# Altium PCB MainBoard_Layout_V2.1.PcbDoc (part 1 of 3) (continued)
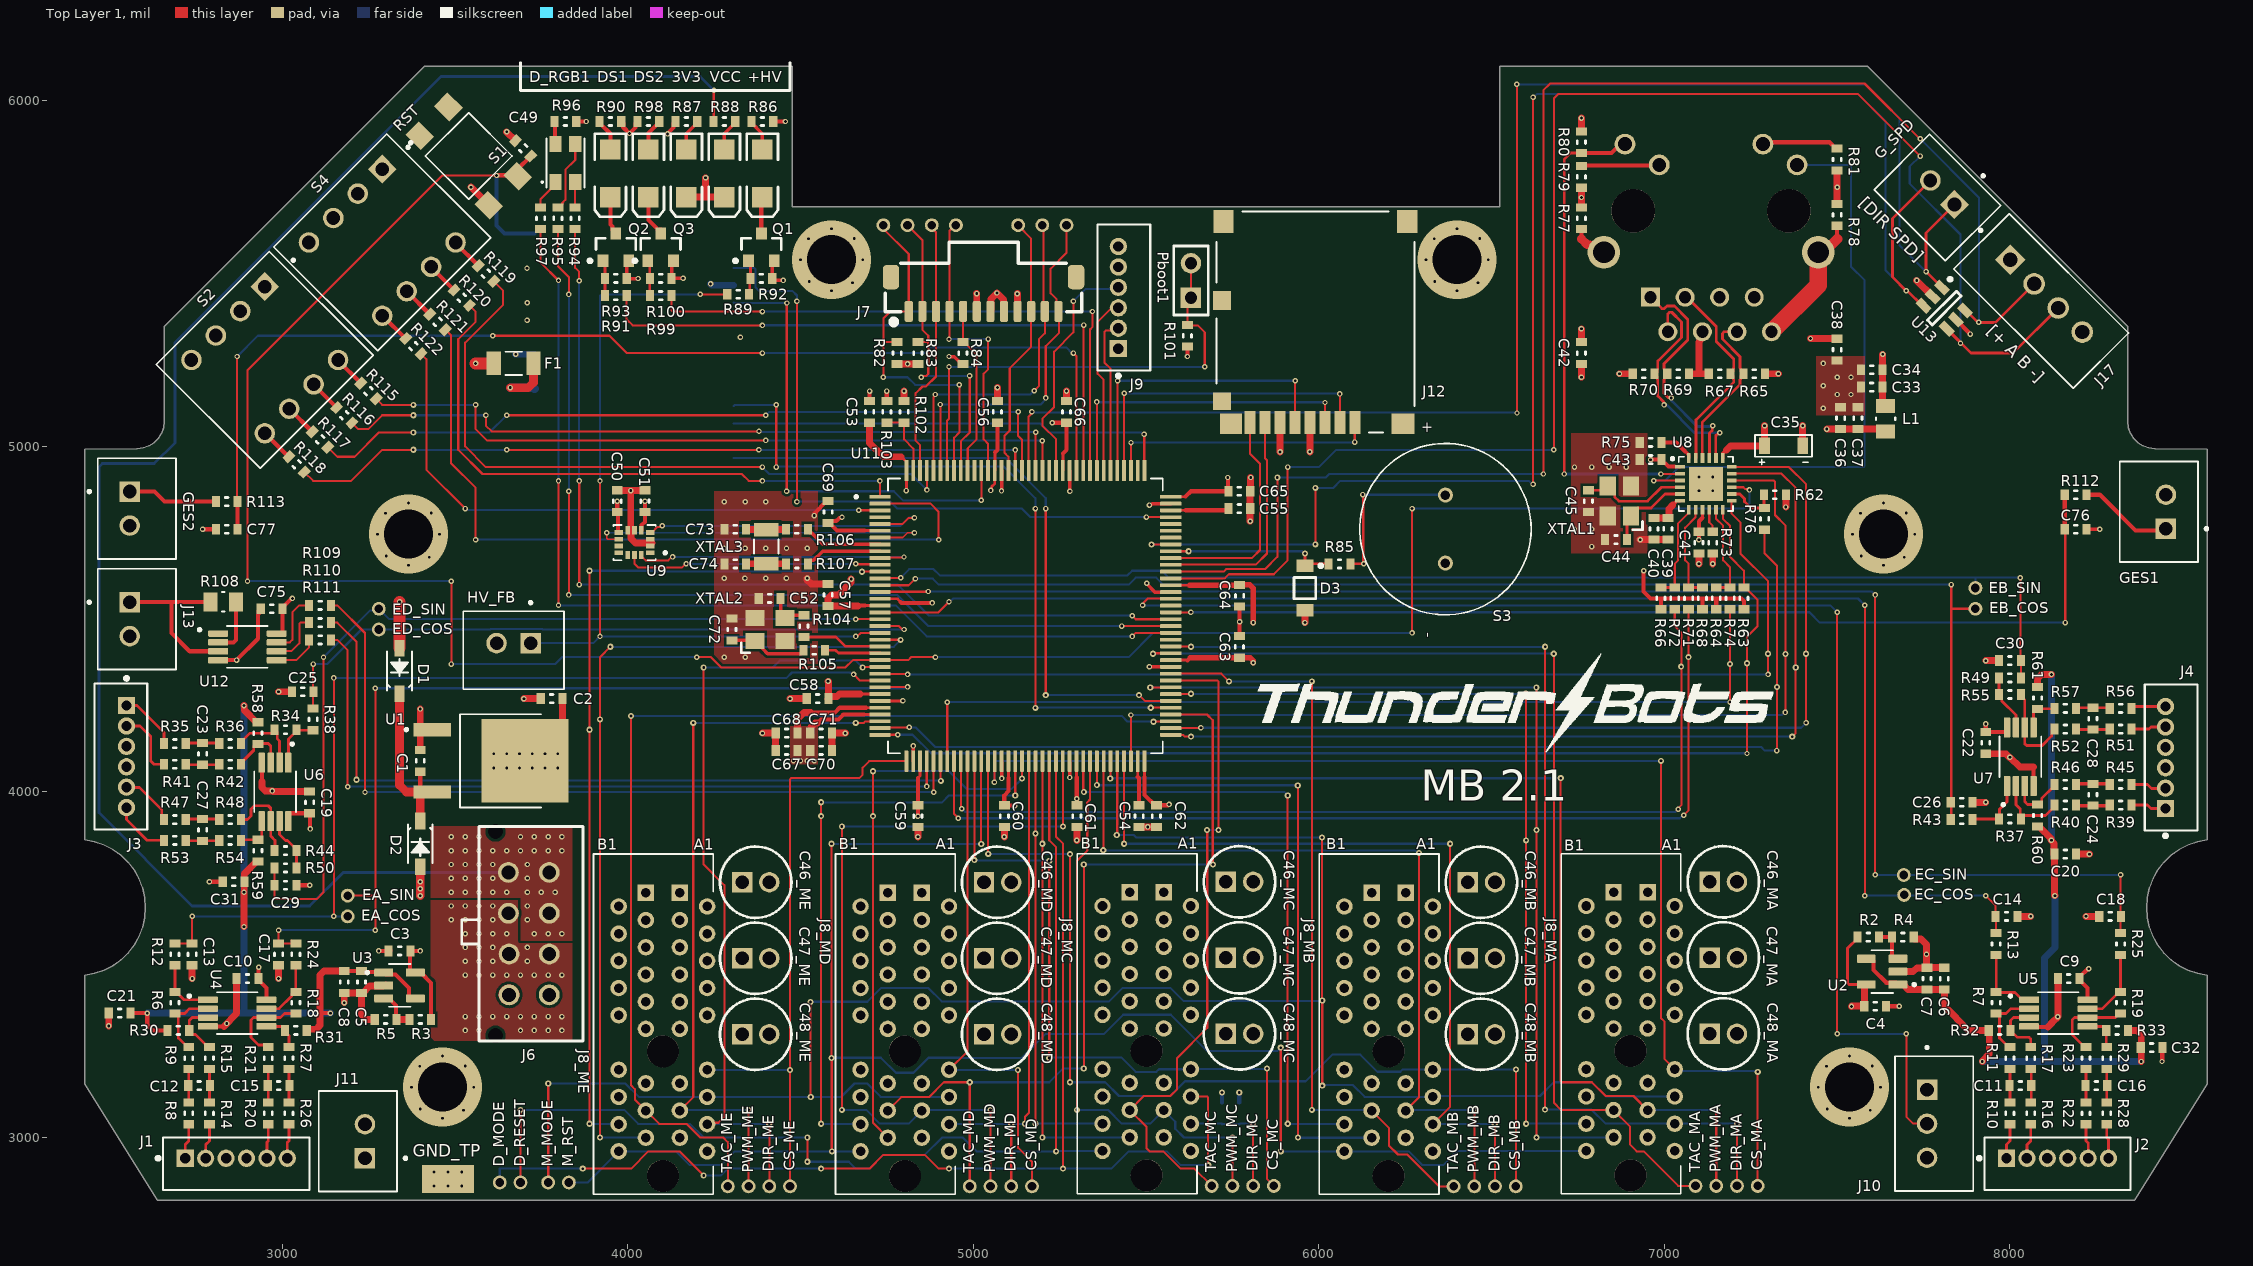
[diagram p0: Top Layer 1 view]
## Components (designator, comment, footprint, x,y, rotation, side; value= is the part's Value field where it differs from the comment)
3V3 "LED2" 3.2X1.6X1.1 4170,5790 r270 top
+HV "LED2" 3.2X1.6X1.1 4390,5790 r270 top
C1 "10uF 10V" 0603 3400,4090 r90 top value=10uF
C2 "10uF 10V" 0603 3780,4270 r180 top value=10uF
C3 "0.010uF" 0603 3340,3540 r180 top
C4 "0.010uF" 0603 7610,3380 r0 top
C5 "1uF 50V" 0603 3230,3450 r270 top value=1uF
C6 "1uF 50V" 0603 7810,3460 r90 top value=1uF
C7 "0.010uF" 0603 7760,3460 r90 top
C8 "0.010uF" 0603 3180,3450 r270 top
C9 "0.010uF" 0603 8170,3460 r180 top
C10 "0.010uF" 0603 2900,3460 r180 top
C11 "100nF 50V" 0603 8030,3150 r0 top value=100nF
C12 "100nF 50V" 0603 2760,3150 r0 top value=100nF
C13 "0.010uF" 0603 2740,3530 r270 top
C14 "0.010uF" 0603 7990,3640 r0 top
C15 "100nF 50V" 0603 2990,3150 r0 top value=100nF
C16 "100nF 50V" 0603 8250,3150 r0 top value=100nF
C17 "0.010uF" 0603 2990,3530 r270 top
C18 "0.010uF" 0603 8290,3640 r180 top
C19 "0.010uF" 0603 3080,3970 r90 top
C20 "1uF 50V" 0603 8160,3820 r0 top value=1uF
C21 "1uF 50V" 0603 2530,3360 r0 top value=1uF
C22 "0.010uF" 0603 7930,4141.89 r270 top
C23 "100nF 50V" 0603 2770,4110 r270 top value=100nF
C24 "100nF 50V" 0603 8240,3991.89 r90 top value=100nF
C25 "0.010uF" 0603 3060,4290 r180 top
C26 "0.010uF" 0603 7860,3970 r0 top
C27 "100nF 50V" 0603 2770,3890 r270 top value=100nF
C28 "100nF 50V" 0603 8240,4211.89 r90 top value=100nF
C29 "0.010uF" 0603 3010,3730 r0 top
C30 "0.010uF" 0603 8000,4380 r180 top
C31 "1uF 50V" 0603 2860,3740 r180 top value=1uF
C32 "1uF 50V" 0603 8410,3260 r0 top value=1uF
C33 "1uF 50V" 0603 7600,5171.5 r0 top value=1uF
C34 "100nF 50V" 0603 7600,5221.5 r0 top value=100nF
C35 "10uF 10V" "1206 Polarized" 7282.13,4970 r0 top value=10uF
C36 "100nF 50V" 0603 7510,5081.5 r270 top value=100nF
C37 "100nF 50V" 0603 7560,5081.5 r270 top value=100nF
C38 "100nF 50V" 0603 7500,5280 r270 top value=100nF
C39 "470pF" 0603 7010,4761.5 r90 top
C40 "1uF 50V" 0603 6970,4761.5 r90 top value=1uF
C41 "100nF 50V" 0603 7100,4721.5 r90 top value=100nF
C42 "100nF 50V" 0603 6760,5270 r90 top value=100nF
C43 "100nF 50V" 0603 6960,4961.5 r0 top value=100nF
C44 "30pF 25V" 0603 6860,4730 r0 top value=30pF
C45 "30pF 25V" 0603 6780,4841.5 r90 top value=30pF
C46_MA "CAP POL 0.1uF 100V" CAPPRD200W50D525H1250 7131.26,3740 r0 top value=0.10uF (schematic designator C46)
C46_MB "CAP POL 0.1uF 100V" CAPPRD200W50D525H1250 6431.26,3738.74 r0 top value=0.10uF (schematic designator C46)
C46_MC "CAP POL 0.1uF 100V" CAPPRD200W50D525H1250 5731.26,3740 r0 top value=0.10uF (schematic designator C46)
C46_MD "CAP POL 0.1uF 100V" CAPPRD200W50D525H1250 5031.26,3738.74 r0 top value=0.10uF (schematic designator C46)
C46_ME "CAP POL 0.1uF 100V" CAPPRD200W50D525H1250 4331.26,3738.74 r0 top value=0.10uF (schematic designator C46)
C47_MA "CAP POL 0.1uF 100V" CAPPRD200W50D525H1250 7131.26,3520 r0 top value=0.10uF (schematic designator C47)
C47_MB "CAP POL 0.1uF 100V" CAPPRD200W50D525H1250 6431.26,3518.74 r0 top value=0.10uF (schematic designator C47)
C47_MC "CAP POL 0.1uF 100V" CAPPRD200W50D525H1250 5731.26,3520 r0 top value=0.10uF (schematic designator C47)
C47_MD "CAP POL 0.1uF 100V" CAPPRD200W50D525H1250 5031.26,3518.74 r0 top value=0.10uF (schematic designator C47)
C47_ME "CAP POL 0.1uF 100V" CAPPRD200W50D525H1250 4331.26,3518.74 r0 top value=0.10uF (schematic designator C47)
C48_MA "CAP POL 0.1uF 100V" CAPPRD200W50D525H1250 7131.26,3300 r0 top value=0.10uF (schematic designator C48)
C48_MB "CAP POL 0.1uF 100V" CAPPRD200W50D525H1250 6431.26,3298.74 r0 top value=0.10uF (schematic designator C48)
C48_MC "CAP POL 0.1uF 100V" CAPPRD200W50D525H1250 5731.26,3300 r0 top value=0.10uF (schematic designator C48)
C48_MD "CAP POL 0.1uF 100V" CAPPRD200W50D525H1250 5031.26,3298.74 r0 top value=0.10uF (schematic designator C48)
C48_ME "CAP POL 0.1uF 100V" CAPPRD200W50D525H1250 4331.26,3298.74 r0 top value=0.10uF (schematic designator C48)
C49 "100nF 50V" 0603 3697.73,5862.27 r315 top value=100nF
C50 "100nF 50V" 0603 3970,4841.5 r270 top value=100nF
C51 "100nF 50V" 0603 4050,4841.5 r270 top value=100nF
C52 "5.6pF 50V" 0603 4410.94,4560 r180 top value=5.6pF
C53 "4.7uF" 0603 4700,5100 r270 top
C54 "10uF 10V" 0603 5480,3930 r270 top value=10uF
C55 "10uF 10V" 0603 5770,4820 r0 top value=10uF
C56 "100nF 50V" 0603 5070,5100 r270 top value=100nF
C57 "100nF 50V" 0603 4580,4570 r270 top value=100nF
C58 "100nF 50V" 0603 4550,4270 r0 top value=100nF
C59 "100nF 50V" 0603 4840,3930 r90 top value=100nF
C60 "100nF 50V" 0603 5090,3930 r90 top value=100nF
C61 "100nF 50V" 0603 5300,3930 r90 top value=100nF
C62 "100nF 50V" 0603 5530,3930 r90 top value=100nF
C63 "100nF 50V" 0603 5770,4420 r270 top value=100nF
C64 "100nF 50V" 0603 5771,4567.61 r90 top value=100nF
C65 "100nF 50V" 0603 5770,4870 r180 top value=100nF
C66 "100nF 50V" 0603 5270,5100 r270 top value=100nF
C67 "1uF 50V" 0603 4460,4120 r0 top value=1uF
C68 "100nF 50V" 0603 4460,4170 r0 top value=100nF
C69 "100nF 50V" 0603 4580,4810 r270 top value=100nF
C70 "1uF 50V" 0603 4560,4120 r180 top value=1uF
C71 "100nF 50V" 0603 4560,4170 r180 top value=100nF
C72 "5.6pF 50V" 0603 4301.5,4470 r90 top value=5.6pF
C73 "5.6pF 50V" 0603 4311.5,4760 r180 top value=5.6pF
C74 "5.6pF 50V" 0603 4311.5,4660 r180 top value=5.6pF
C75 "0.10uF" 0603 2970,4530 r180 top
C76 "0.10uF" 0603 8190,4760 r0 top
C77 "0.10uF" 0603 2840,4760 r180 top
CHIP "Test Point (Via)" TP 5200,5640 r90 bottom
CS_MA "Test Point (Via)" TP 7270,2860 r90 top (schematic designator CS)
CS_MB "Test Point (Via)" TP 6570,2858.74 r90 top (schematic designator CS)
CS_MC "Test Point (Via)" TP 5870,2860 r90 top (schematic designator CS)
CS_MD "Test Point (Via)" TP 5170,2858.74 r90 top (schematic designator CS)
CS_ME "Test Point (Via)" TP 4470,2858.74 r90 top (schematic designator CS)
D1 "SM5817PL-TP" SOD-123 3340,4350 r90 top
D2 "SM5817PL-TP" SOD-123 3400,3850 r270 top
D3 "3V3 ZENER" ONSC-SOD-123-2-425-04_V 5960,4590 r270 top
D_MODE "Test Point (Via)" TP 3630,2870 r90 top
D_RESET "Test Point (Via)" TP 3690,2870 r90 top
D_RGB1 "LED RGB CLEAR 4SMD 3528" "LED 4pin 3.5 x 2.8" 3820,5820 r270 top
DIR_MA "Test Point (Via)" TP 7210,2860 r90 top (schematic designator DIR)
DIR_MB "Test Point (Via)" TP 6510,2858.74 r90 top (schematic designator DIR)
DIR_MC "Test Point (Via)" TP 5810,2860 r90 top (schematic designator DIR)
DIR_MD "Test Point (Via)" TP 5110,2858.74 r90 top (schematic designator DIR)
DIR_ME "Test Point (Via)" TP 4410,2858.74 r90 top (schematic designator DIR)
DS1 "LED2" 3.2X1.6X1.1 3950,5790 r270 top
DS2 "LED2" 3.2X1.6X1.1 4060,5790 r270 top
EA_COS "Test Point (Via)" TP 3190,3640 r90 top
EA_SIN "Test Point (Via)" TP 3190,3700 r90 top
EB_COS "Test Point (Via)" TP 7900,4530 r90 top
EB_SIN "Test Point (Via)" TP 7900,4590 r90 top
EC_COS "Test Point (Via)" TP 7693.69,3702 r90 top
EC_SIN "Test Point (Via)" TP 7692.72,3759.72 r90 top
ED_COS "Test Point (Via)" TP 3280,4470 r90 top
ED_SIN "Test Point (Via)" TP 3280,4530 r90 top
F1 "Fuse 3A 1206" 1206 3670,5240 r180 top
G_SPD "CN HDR 2POS JST XH" JST_B2B-XH-A(LF)(SN) 7790,5720 r135 top
GES1 "CN HDR 2POS JST XH" JST_B2B-XH-A(LF)(SN) 8430.67,4810.79 r90 top
GES2 "CN HDR 2POS JST XH" JST_B2B-XH-A(LF)(SN) 2580,4820 r270 top
GND_TP "Test Point - 5019" TP380X203 3480,2880 r0 top
HV_FB "CN HDR 2POS JST XH" JST_B2B-XH-A(LF)(SN) 3670,4410 r180 top (schematic designator HV_FB1)
J1 "1.5mm" "6POS JST Vertical" 2720,2940 r0 top
J2 "1.5mm" "6POS JST Vertical" 7990,2940 r0 top
J3 "1.5mm" "6POS JST Vertical" 2550,4250 r270 top
J4 "1.5mm" "6POS JST Vertical" 8450,3951.89 r90 top
J5 "CN J00-0045NL" "RJ45 J00-0045NL" 7135,5681.5 r180 bottom
J6 "CN HDR 8POS Molex 43045-0812 (R)" 4304508 3710,3590 r90 top
J7 "20239612" "CN 20355612" 5030,5490 r180 top
J8_MA "CN PCIE 36 TH" "CN PCIE 36 TH" 6902.05,3250.63 r270 top (schematic designator J8)
J8_MB "CN PCIE 36 TH" "CN PCIE 36 TH" 6202.05,3249.37 r270 top (schematic designator J8)
J8_MC "CN PCIE 36 TH" "CN PCIE 36 TH" 5502.05,3250.63 r270 top (schematic designator J8)
J8_MD "CN PCIE 36 TH" "CN PCIE 36 TH" 4802.05,3249.37 r270 top (schematic designator J8)
J8_ME "CN PCIE 36 TH" "CN PCIE 36 TH" 4102.05,3249.37 r270 top (schematic designator J8)
J9 "1.5mm" "6POS JST Vertical" 5420,5282.83 r90 top
J10 "B3B-XH-A(LF)(SN)" JST_B3B-XH-A(LF)(SN) 7760,3040 r270 top
J11 "CN HDR 2POS JST XH" JST_B2B-XH-A(LF)(SN) 3219.33,2989.21 r90 top
J12 "CONN MICRO SD CARD PUSH-PUSH R/A" "SD Connector 5027740891" 5990,5360 r0 top
J13 "CN HDR 2POS JST XH" JST_B2B-XH-A(LF)(SN) 2580,4500 r270 top
J17 "CN 4POS JST XH" JST_B4B-XH-A(LF)(SN) 8000.4,5539.6 r315 top
KICK "Test Point (Via)" TP 5270,5640 r90 bottom
L1 "IND 100UH 50MA 4 OHM SMD" 0805 7640,5080 r270 top value=100uH
M_MODE "Test Point (Via)" TP 3770,2870 r90 top
M_RST "Test Point (Via)" TP 3830,2870 r90 top
Pboot1 "Header 2" HDR1X2 5630,5430 r90 top
PMS_SCL "Test Point (Via)" TP 4810,5640 r90 bottom (schematic designator PWR_DONE)
PMS_SDA "Test Point (Via)" TP 4740,5640 r90 bottom (schematic designator PWR_FLT)
PWM_MA "Test Point (Via)" TP 7150,2860 r90 top (schematic designator PWM)
PWM_MB "Test Point (Via)" TP 6450,2858.74 r90 top (schematic designator PWM)
PWM_MC "Test Point (Via)" TP 5750,2860 r90 top (schematic designator PWM)
PWM_MD "Test Point (Via)" TP 5050,2858.74 r90 top (schematic designator PWM)
PWM_ME "Test Point (Via)" TP 4350,2858.74 r90 top (schematic designator PWM)
PWR_CHRG "Test Point (Via)" TP 5130,5640 r90 bottom
PWR_DONE "Test Point (Via)" TP 4950,5640 r90 bottom
PWR_FLT "Test Point (Via)" TP 4880,5640 r90 bottom
Q1 "BSS64LT1" ONSC-SOT-23-3-318-08_V 4386.88,5576.19 r90 top
Q2 "BSS64LT1" ONSC-SOT-23-3-318-08_V 3965.8,5576.19 r90 top
Q3 "BSS64LT1" ONSC-SOT-23-3-318-08_V 4095.8,5576.19 r90 top
R1 "JUMPER" 0603 5770,3070 r90 bottom value=0
R2 "100k" 0603 7590,3580 r180 top
R3 "100k" 0603 3400,3341.81 r0 top
R4 "100k" 0603 7690,3580 r180 top
R5 "100k" 0603 3300,3341.81 r0 top
R6 "64.9k" 0603 2690,3390 r270 top
R7 "64.9k" 0603 7960,3390 r270 top
R8 "330" 0603 2730,3070 r270 top
R9 "100k" 0603 2730,3230 r270 top
R10 "330" 0603 8000,3070 r270 top
R11 "100k" 0603 8000,3230 r270 top
R12 "330" 0603 2690,3530 r270 top
R13 "330" 0603 7960,3560 r270 top
R14 "330" 0603 2790,3070 r270 top
R15 "100k" 0603 2790,3230 r270 top
R16 "330" 0603 8060,3070 r270 top
R17 "100k" 0603 8060,3230 r270 top
R18 "64.9k" 0603 3040,3390 r270 top
R19 "64.9k" 0603 8320,3390 r270 top
R20 "330" 0603 2960,3070 r270 top
R21 "100k" 0603 2960,3230 r270 top
R22 "330" 0603 8220,3070 r270 top
R23 "100k" 0603 8220,3230 r270 top
R24 "330" 0603 3040,3530 r270 top
R25 "330" 0603 8320,3560 r270 top
R26 "330" 0603 3020,3070 r270 top
R27 "100k" 0603 3020,3230 r270 top
R28 "330" 0603 8280,3070 r270 top
R29 "100k" 0603 8280,3230 r270 top
R30 "64.9k" 0603 2700,3310 r180 top
R31 "64.9k" 0603 3040,3310 r0 top
R32 "64.9k" 0603 7970,3310 r180 top
R33 "64.9k" 0603 8310,3310 r0 top
R34 "64.9k" 0603 3010,4180 r180 top
R35 "330" 0603 2690,4140 r180 top
R36 "100k" 0603 2850,4140 r180 top
R37 "64.9k" 0603 8000,3921.89 r0 top
R38 "330" 0603 3090,4210 r270 top
R39 "330" 0603 8320,3961.89 r0 top
R40 "100k" 0603 8160,3961.89 r0 top
R41 "330" 0603 2690,4080 r180 top
R42 "100k" 0603 2850,4080 r180 top
R43 "330" 0603 7860,3920 r0 top
R44 "64.9k" 0603 3010,3830 r180 top
R45 "330" 0603 8320,4021.89 r0 top
R46 "100k" 0603 8160,4021.89 r0 top
R47 "330" 0603 2690,3920 r180 top
R48 "100k" 0603 2850,3920 r180 top
R49 "64.9k" 0603 8000,4281.89 r0 top
R50 "330" 0603 3010,3780 r0 top
R51 "330" 0603 8320,4181.89 r0 top
R52 "100k" 0603 8160,4181.89 r0 top
R53 "330" 0603 2690,3860 r180 top
R54 "100k" 0603 2850,3860 r180 top
R55 "330" 0603 8000,4330 r180 top
R56 "330" 0603 8320,4241.89 r0 top
R57 "100k" 0603 8160,4241.89 r0 top
R58 "64.9k" 0603 2930,4170 r90 top
R59 "64.9k" 0603 2930,3830 r270 top
R60 "64.9k" 0603 8080,3931.89 r270 top
R61 "64.9k" 0603 8080,4271.89 r90 top
R62 "10k" 0603 7320,4860 r0 top
R63 "1.5k" 0603 7230,4560 r270 top
R64 "10k" 0603 7150,4560 r270 top
R65 "49.9" 0603 7260,5210 r180 top
R66 "10k" 0603 6990,4560 r270 top
R67 "49.9" 0603 7160,5210 r0 top
R68 "10k" 0603 7110,4560 r270 top
R69 "49.9" 0603 6940,5210 r0 top
R70 "49.9" 0603 7040,5210 r180 top
R71 "33" 0603 7070,4560 r270 top
R72 "33" 0603 7030,4560 r270 top
R73 "10k" 0603 7140,4721.5 r270 top
R74 "33" 0603 7190,4560 r270 top
R75 "12.1k" 0603 6960,5011.5 r0 top
R76 "33" 0603 7290,4790 r270 top
R77 "JUMPER" 0603 6760,5660 r90 top value=0
R78 "JUMPER" 0603 7500,5670 r90 top value=0
R79 "270" 0603 6760,5780 r270 top
R80 "10k" 0603 6760,5880 r90 top
R81 "270" 0603 7500,5830 r270 top
R82 "3.3k" 0603 4780,5270 r270 top
R83 "3.3k" 0603 4840,5270 r270 top
R84 "3.3k" 0603 4970,5270 r270 top
R85 "2k" 0603 6060,4660 r180 top
R86 "270" 0603 4390,5940 r0 top
R87 "182" 0603 4170,5940 r180 top
R88 "4.7k" 0603 4280,5940 r180 top
R89 "47k" 0603 4320,5440 r180 top
R90 "270" 0603 3950,5940 r180 top
R91 "47" 0603 3965.8,5436.19 r0 top
R92 "100k" 0603 4386.88,5486.19 r0 top
R93 "100k" 0603 3965.8,5486.19 r0 top
R94 "270" 0603 3848.19,5660 r90 top
R95 "270" 0603 3798.19,5660 r90 top
R96 "1k" 0603 3820,5940 r0 top
R97 "330" 0603 3748.19,5660 r90 top
R98 "270" 0603 4060,5940 r0 top
R99 "47k" 0603 4095.8,5436.19 r0 top
R100 "100k" 0603 4095.8,5486.19 r0 top
R101 "10k" 0603 5620,5320 r270 top
R102 "10k" 0603 4800,5100 r90 top
R103 "10k" 0603 4750,5100 r90 top
R104 "JUMPER" 0603 4510,4480 r270 top value=0
R105 "JUMPER" 0603 4540,4410 r0 top value=0
R106 "JUMPER" 0603 4490,4760 r0 top value=0
R107 "JUMPER" 0603 4490,4660 r0 top value=0
R108 "7.68k" 0805 2830,4550 r180 top
R109 "JUMPER" 0603 3110,4540 r180 top value=0
R110 "JUMPER" 0603 3110,4490 r180 top value=0
R111 "JUMPER" 0603 3110,4440 r180 top value=0
R112 "JUMPER" 0603 8190,4860 r180 top value=0
R113 "JUMPER" 0603 2840,4840 r0 top value=0
R114 "JUMPER" 0603 5720,3070 r270 bottom value=0
R115 "10k" 0603 3250,5160 r315 top
R116 "10k" 0603 3180,5090 r315 top
R117 "10k" 0603 3110,5020 r315 top
R118 "10k" 0603 3042.27,4947.73 r315 top
R119 "10k" 0603 3590,5500 r315 top
R120 "10k" 0603 3520,5430 r315 top
R121 "10k" 0603 3450,5360 r315 top
R122 "10k" 0603 3380,5290 r315 top
S1 "SW PUSH NO SMD" TL3305 3540,5840 r45 top
S2 "DS02-254-1L-04BE" SW_DS02-254-1L-04BE 2950,5250 r225 top
S3 "BUZZER" "BUZZER PKM13EPYH4000-A0" 6470,4760 r90 top
S4 "DS02-254-1L-04BE" SW_DS02-254-1L-04BE 3290,5590 r225 top
TAC_MA "Test Point (Via)" TP 7090,2860 r90 top (schematic designator TAC)
TAC_MB "Test Point (Via)" TP 6390,2858.74 r90 top (schematic designator TAC)
TAC_MC "Test Point (Via)" TP 5690,2860 r90 top (schematic designator TAC)
TAC_MD "Test Point (Via)" TP 4990,2858.74 r90 top (schematic designator TAC)
TAC_ME "Test Point (Via)" TP 4290,2858.74 r90 top (schematic designator TAC)
U1 "ZLDO1117K33TC" "DPAK (TO-252)" 3600,4090 r270 top
U2 "OP AMP SINGLE" SOT95P280X145-5N 7630,3480 r180 top
U3 "OP AMP SINGLE" SOT95P280X145-5N 3340,3440 r0 top
U4 "OP AMP DUAL" 8-MSOP 2870,3360 r0 top
U5 "OP AMP DUAL" 8-MSOP 8140,3360 r0 top
U6 "OP AMP DUAL" 8-MSOP 2980,4000 r270 top
U7 "OP AMP DUAL" 8-MSOP 8030,4101.89 r90 top
U8 "LAN8742A-CZ-TR" "24-QFN (4x4)" 7120,4891.5 r0 top
U9 "LSM6DSLTR" LGA-14 4020,4721.5 r180 top
U10 "STLINK-V3MODS" STLINK-V3MODS 6228.69,10226.19 r180 bottom
U11 "STM32H743ZIT6" QFP50P2200X2200X160-144N 5151.1,4509.53 r0 top
U12 "MAX 6682" 8-MSOP 2900,4420 r0 top
U13 "USBLC6-4SC6" SOT23-6L 7810,5400 r315 top
VCC "LED2" 3.2X1.6X1.1 4280,5790 r270 top
XTAL1 "CRYSTAL 25MHZ 12PF SMD" 3225-4SMD 6870,4841.5 r90 top
XTAL2 "CRYSTAL 25MHZ 12PF SMD" 3225-4SMD 4411.5,4470 r0 top
XTAL3 "CRYSTAL 32.7680KHZ 12.5PF SMD" "3215 SMD2" 4401.5,4710 r90 top

## Footprints (in the part's own frame and the unit in brackets; to place one, negate y for a bottom-side part, rotate by r counter-clockwise, add the part's x,y. Pads: shape width x height; smd on the part's side, far side on the other; paste and mask are expansions set on the pad)
3.2X1.6X1.1 [mm]
  rect 1.5x1.5 smd: 1(-1.75,0) 2(1.75,0)
  silkscreen extent -2.9,-1.15 3.2,1.15
"6POS JST Vertical" [mil]
  rect 50x50 hole 30 mask+0: 1(0,0)
  round 50 hole 30 mask+0: 2(59.06,0) 3(118.11,0) 4(177.17,0) 5(236.22,0) 6(295.28,0)
  silkscreen extent -84,-92 359,60, body extent -59,-87 354,51, height 177
8-MSOP [mm]
  rrect25% 1.47x0.48 smd: 1(-2.15,0.975) 2(-2.15,0.325) 3(-2.15,-0.325) 4(-2.15,-0.975) 5(2.15,-0.975) 6(2.15,-0.325) 7(2.15,0.325) 8(2.15,0.975)
  silkscreen extent -3.62,-1.54 1.5,1.54, body extent -2.55,-1.6 2.6,1.6, height 1.09
"24-QFN (4x4)" [mm]
  rect 0.71x0.27 smd: 1(-1.9,1.25) 2(-1.9,0.75) 3(-1.9,0.25) 4(-1.9,-0.25) 5(-1.9,-0.75) 6(-1.9,-1.25) 13(1.9,-1.25) 14(1.9,-0.75) 15(1.9,-0.25) 16(1.9,0.25) 17(1.9,0.75) 18(1.9,1.25)
  rect 0.27x0.71 smd: 7(-1.25,-1.9) 8(-0.75,-1.9) 9(-0.25,-1.9) 10(0.25,-1.9) 11(0.75,-1.9) 12(1.25,-1.9) 19(1.25,1.9) 20(0.75,1.9) 21(0.25,1.9) 22(-0.25,1.9) 23(-0.75,1.9) 24(-1.25,1.9)
  rect 2.5x2.5 smd: 25(0,0)
  silkscreen extent -2.55,-2 2,2, body extent -2.05,-2.04 2.05,2.05, height 1.4
0603 [mm] "Chip Resistor, 2-Leads, Body 1.60x0.80mm, IPC High Density"
  rect 0.6x0.8 smd: 1(-0.8,0) 2(0.8,0)
  silkscreen extent -0.1,-0.3 0.1,0.3, body extent -0.8,-0.4 0.8,0.4, height 0.6
0805 [mil]
  rect 40x55 smd: 1(-37,0) 2(37,0)
  silkscreen extent -4,-28 4,28, body extent -47,-28 47,28, height 24
1206 [mm]
  rect 1.05x1.72 smd: 1(-1.46,0) 2(1.46,0)
  silkscreen extent -0.62,-0.85 0.62,0.85
"1206 Polarized" [mm]
  rect 0.8x1.2 smd: 1(0.2,0.8) 2(3,0.8)
  silkscreen extent -0.51,-0.6 3.68,1.6
"3215 SMD2" [mm] "3.2 x 1.5mm 2Lead"
  rect 1x1.8 smd: 1(-1.25,0) 2(1.25,0)
  silkscreen extent -0.5,-0.9 0.5,0.9, body extent -1.61,-0.76 1.61,0.76, height 0.91
3225-4SMD [mm] "3225 4PIn Package"
  rect 1.4x1.2 smd: 1(-1.1,-0.85) 2(1.1,-0.85) 3(1.1,0.85) 4(-1.1,0.85)
  silkscreen extent -2.1,-1.7 -1.5,-1, body extent -1.6,-1.2 1.6,1.3, height 0.61
4304508 [mm] "CN Vertical 8 Pin TH"
  round 1.53 hole 1.02: 1(4.5,-1.602) 2(1.5,-1.602) 3(-1.5,-1.602) 4(-4.5,-1.602) 5(4.5,1.398) 6(1.5,1.398) 7(-1.5,1.344) 8(-4.5,1.344)
  round 0.9 hole 1.1: 9(-7.5,2.344) 9(7.5,2.344)
  silkscreen extent -7.9,-4.09 7.87,4.83, body extent -8.07,-4.04 8.08,4.73, height 9.95
"BUZZER PKM13EPYH4000-A0" [mm]
  round 1.1 hole 0.7: N(-2.488,2.63) P(2.512,2.63)
  silkscreen extent -6.29,-3.67 6.31,8.93
CAPPRD200W50D525H1250 [mm]
  rect 1.5x1.5 hole 1: 1(0,0)
  round 1.5 hole 1: 2(2,0)
  silkscreen extent -1.62,-2.62 3.63,2.62, body extent -1.75,-2.75 3.75,2.75, height 12.5
"CN 20355612" [mm] "12 Circuit SMD Right Angle PicoClasp"
  rrect50% 0.6x1.55 smd: 1(5.5,2.525) 2(4.5,2.525) 3(3.5,2.525) 4(2.5,2.525) 5(1.5,2.525) 6(0.5,2.525) 7(-0.5,2.525) 8(-1.5,2.525) 9(-2.5,2.525) 10(-3.5,2.525) 11(-4.5,2.525) 12(-5.5,2.525)
  rrect50% 1.2x1.8 smd: NC(-6.8,0) NC(6.8,0)
  silkscreen extent -7.2,-2.54 7.21,3.45, body extent -7.12,-2.44 7.12,2.9, height 5.54
"CN PCIE 36 TH" [mm] "AMPHENOL_10018784-10210TLF"
  rect 1.208x1.208 hole 0.7: A1(-11.65,1.25) B1(-11.65,-1.25)
  round 1.208 hole 0.7: A2(-10.65,3.25) A3(-9.65,1.25) A4(-8.65,3.25) A5(-7.65,1.25) A6(-6.65,3.25) A7(-5.65,1.25) A8(-4.65,3.25) A9(-3.65,1.25) A10(-2.65,3.25) A11(-1.65,1.25) A12(1.35,3.25) A13(2.35,1.25) A14(3.35,3.25) A15(4.35,1.25) A16(5.35,3.25) A17(6.35,1.25) A18(7.35,3.25) B2(-10.65,-3.25) B3(-9.65,-1.25) B4(-8.65,-3.25) B5(-7.65,-1.25) B6(-6.65,-3.25) B7(-5.65,-1.25) B8(-4.65,-3.25) B9(-3.65,-1.25) B10(-2.65,-3.25) B11(-1.65,-1.25) B12(1.35,-3.25) B13(2.35,-1.25) B14(3.35,-3.25) B15(4.35,-1.25) B16(5.35,-3.25) B17(6.35,-1.25) B18(7.35,-3.25)
  round 2.35 hole 2.35 unplated: ""(0,0) ""(9.15,0)
  silkscreen extent -14.5,-5.1 10.5,3.7, body extent -14.6,-5.1 10.4,3.7, height 11
"DPAK (TO-252)" [mil]
  rect 38.58x107.87 smd: 1(-90,-165) 3(90,-165)
  rect 241.67x251.97 smd paste-157.48: 2(0,103)
  silkscreen extent -135,-244 135,150, body extent -128,-185 128,205, height 97
HDR1X2 [mm] "Connector; Header; 2 Position"
  rect 1.5x1.5 hole 0.9: 1(0,0)
  round 1.5 hole 0.9: 2(2.54,0)
  silkscreen extent -1.27,-1.27 3.81,1.27
JST_B2B-XH-A(LF)(SN) [mm]
  rect 1.508x1.508 hole 1: 1(-1.25,-0.525)
  round 1.508 hole 1: 2(1.25,-0.525)
  silkscreen extent -3.7,-3.6 3.7,2.88, body extent -3.7,-2.85 3.7,2.9, height 7.1
JST_B3B-XH-A(LF)(SN) [mm]
  rect 1.508x1.508 hole 1: 1(-2.5,0)
  round 1.508 hole 1: 2(0,0) 3(2.5,0)
  silkscreen extent -5.7,-2.35 4.95,3.4, body extent -4.96,-2.35 4.94,3.4, height 7
JST_B4B-XH-A(LF)(SN) [mm]
  rect 1.59x1.59 hole 1.06: 1(0,0)